# Altium PCB VCB2020.PcbDoc (part 1 of 2)
Units mm, origin at the board's own origin, x right, y up, seen from the top; angles counter-clockwise.
Board outline 146 x 96 mm, 2 copper layers (Top Layer, Bottom Layer); 153 components, 104 nets, 535 pads, 826 vias.
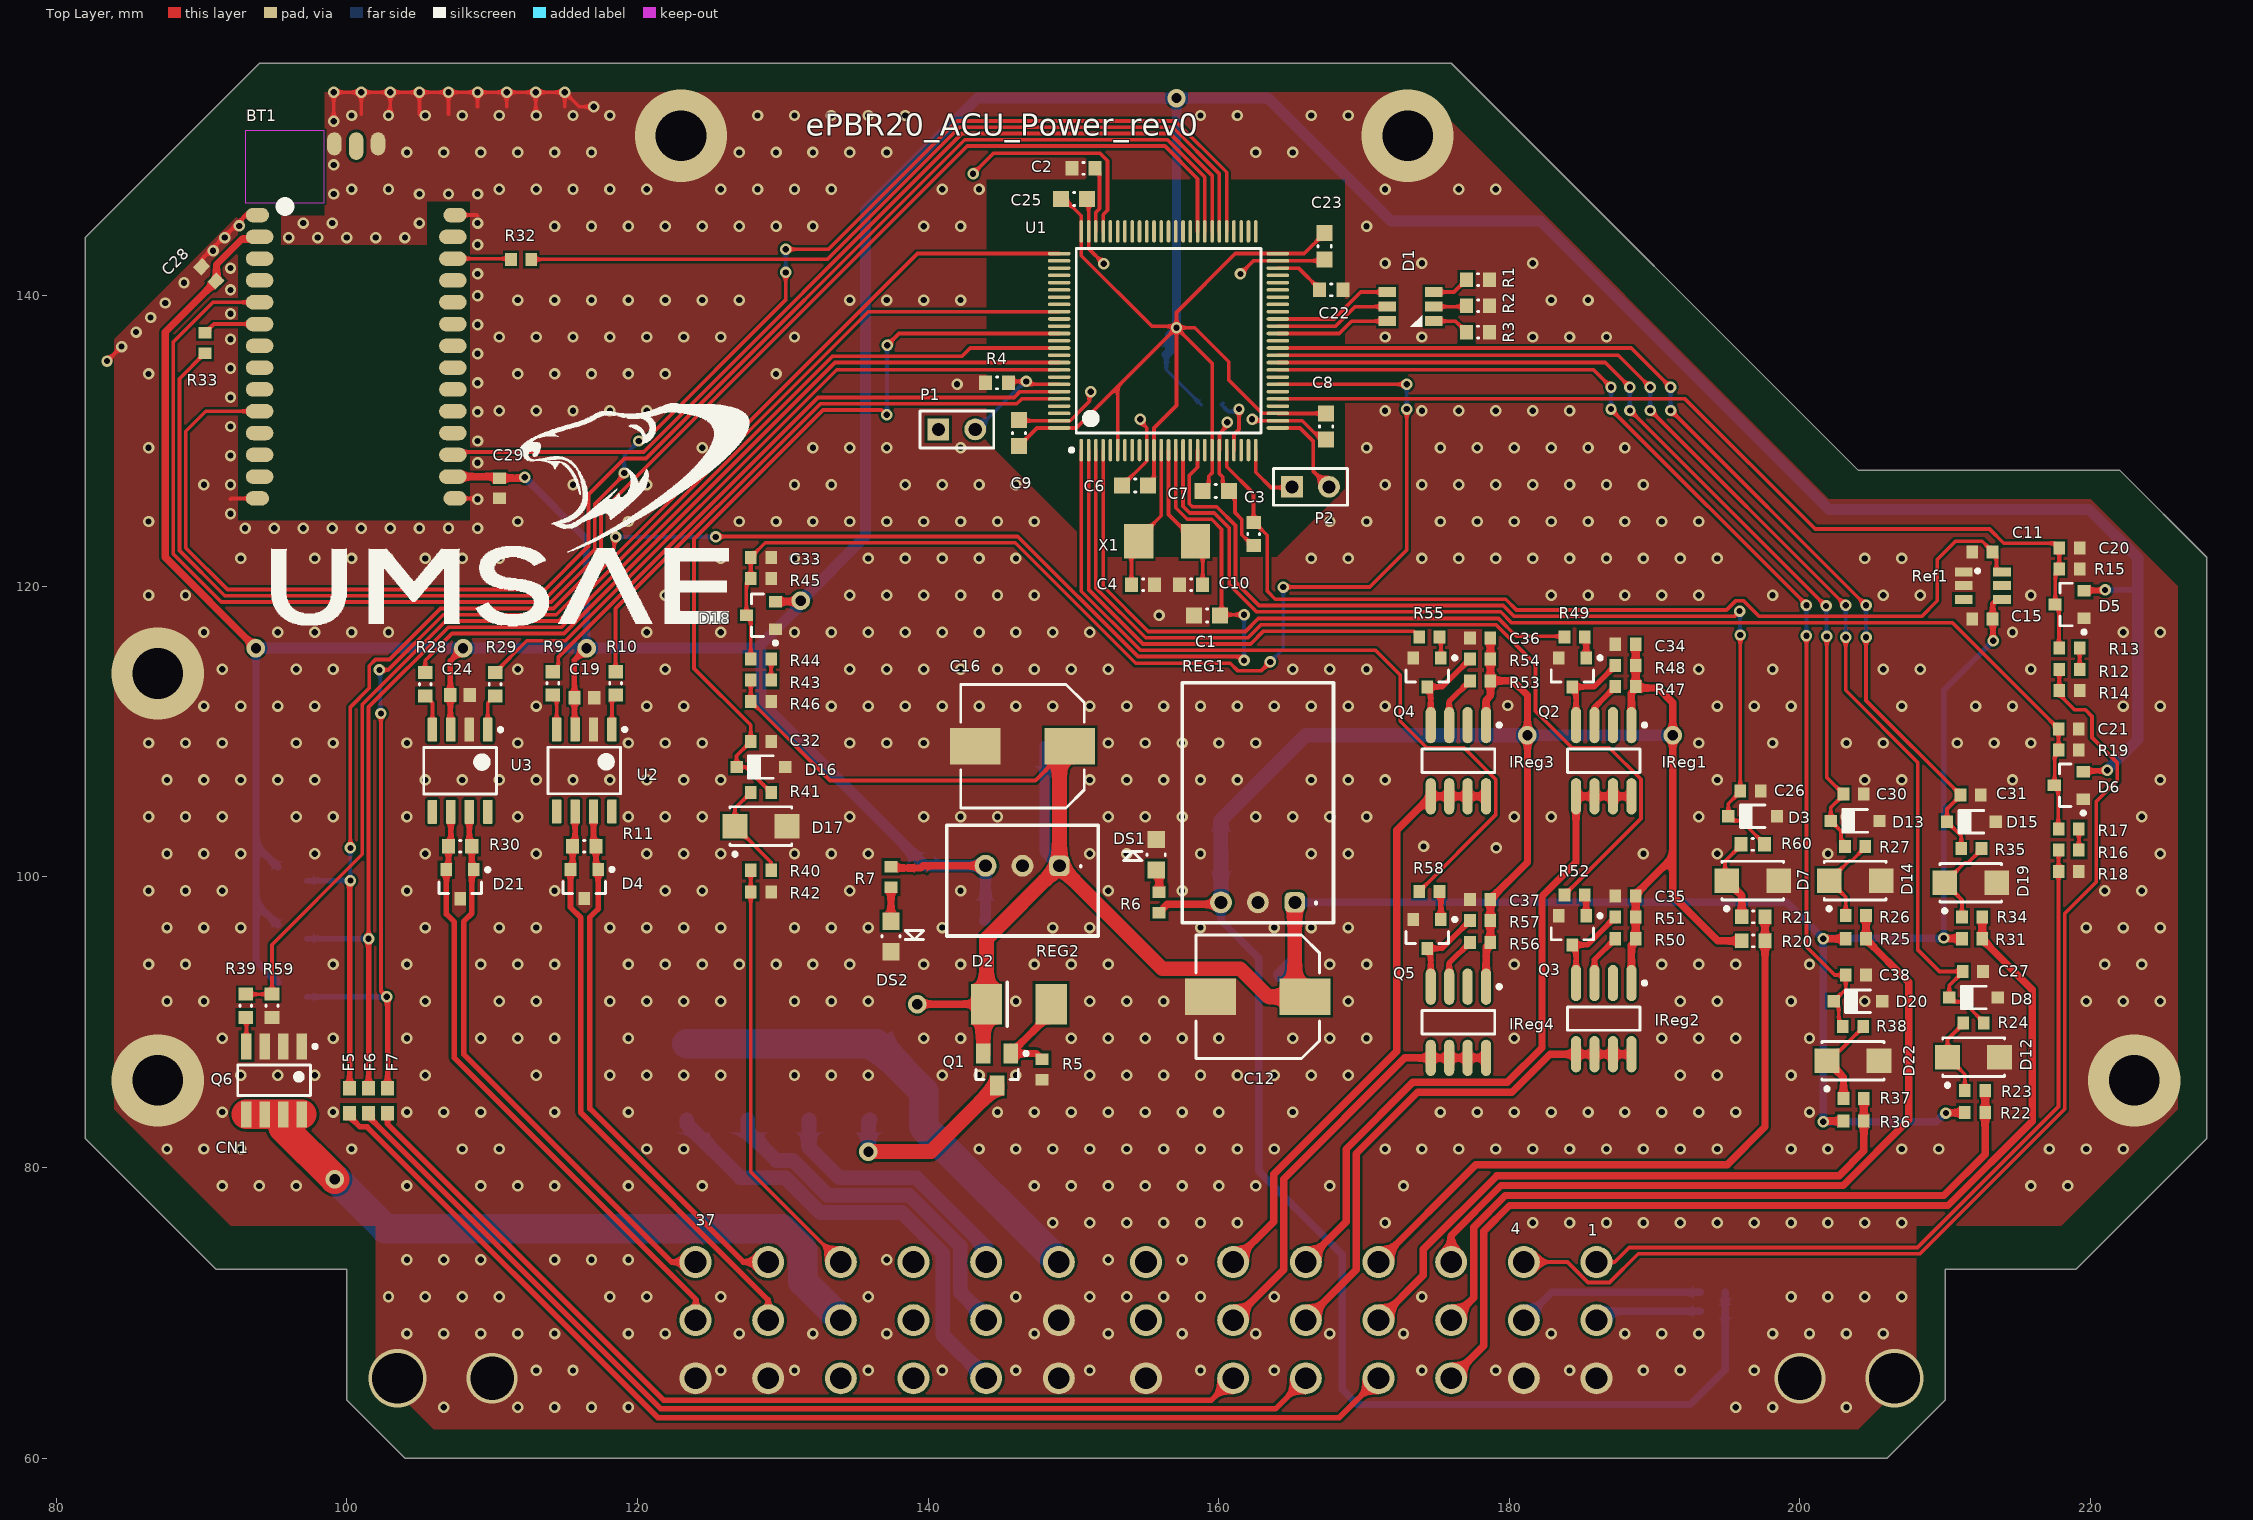
[diagram p0: Top Layer view]
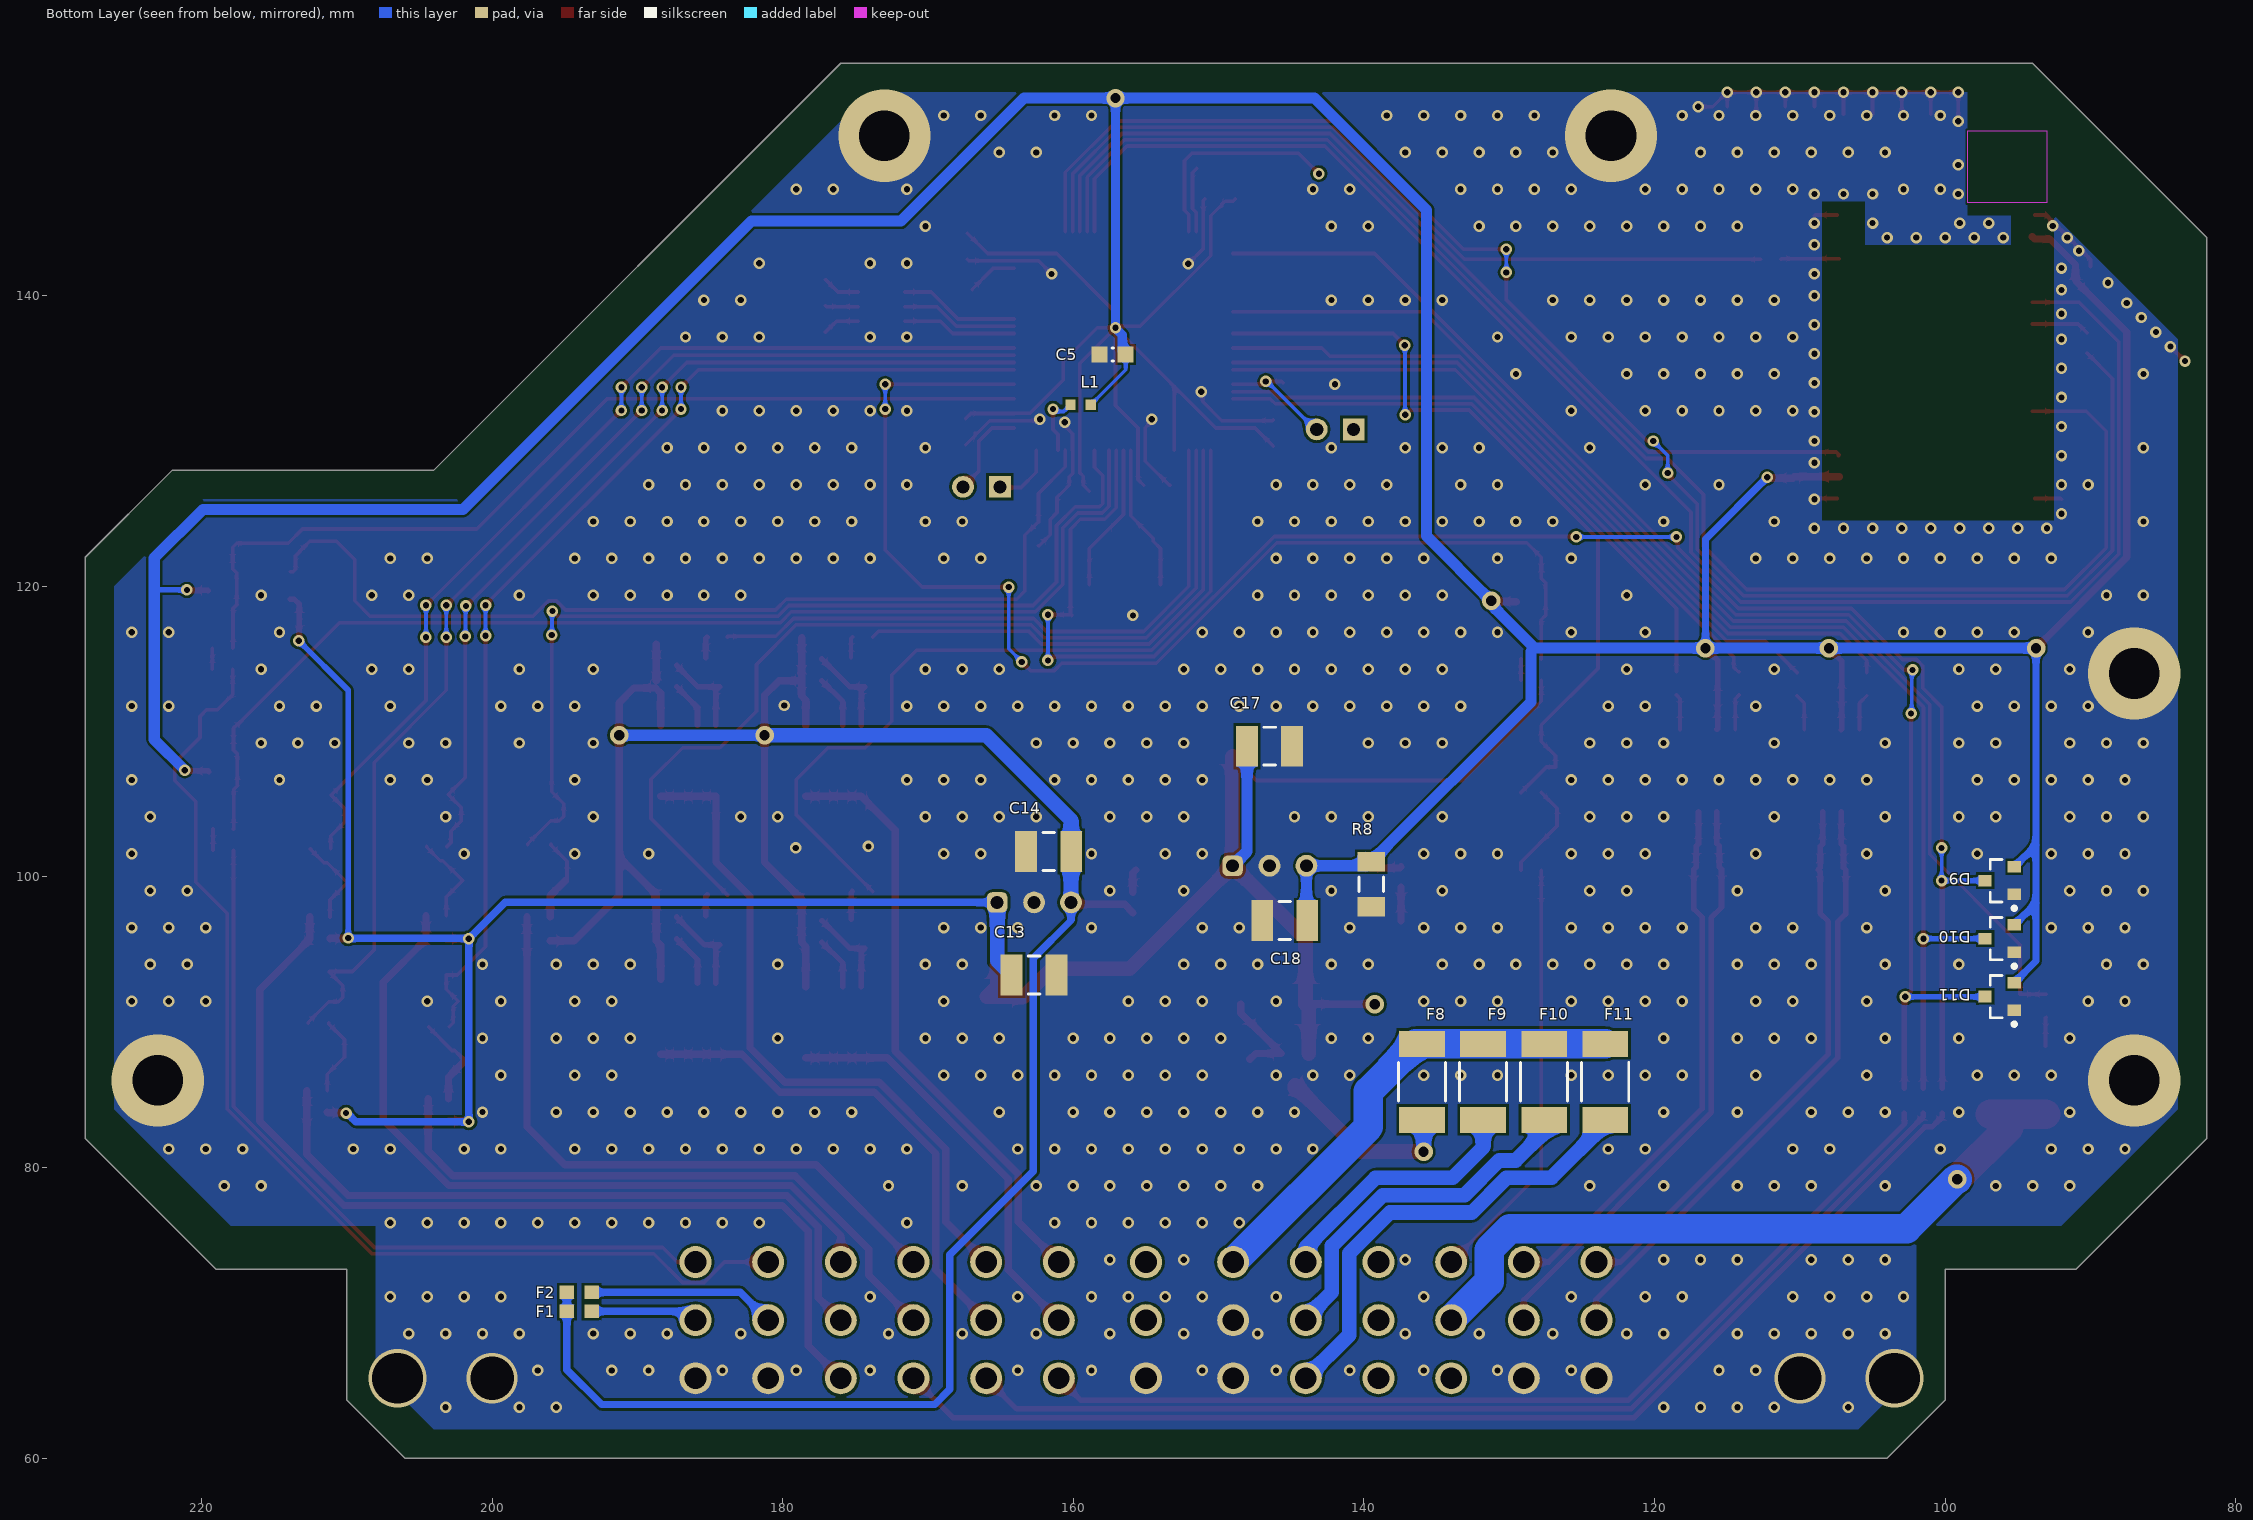
[diagram p1: Bottom Layer view, seen from below]

## Layer stack, top to bottom
Top Solder: solder mask 0.0102, Solder Resist, Dk 3.5
Top Layer: signal copper 0.0356
Dielectric 1: dielectric 0.32, FR-4, Dk 4.8
Bottom Layer: signal copper 0.0356
Bottom Solder: solder mask 0.0102, Solder Resist, Dk 3.5

## Board outline
98.5,156 94,156 82,144 82,82 91,73 100,73 100,64 104,60 206,60 210,64 210,73 219,73 228,82 228,122 222,128 204,128 176,156

## Design rules (kind name [scope] priority, off if disabled: settings)
Clearance [All] p1: gap=0.178 ignorepadtopadclearanceinfootprint=FALSE except(0: Arc-Hole Track-Hole SMDPad-Hole THPad-Hole Via-Hole Fill-Hole Poly-Hole Region-Hole Text-Hole)
DiffPairsRouting [All] p1: maxlimit=0.254 minlimit=0.254 mostfreqgap=0.254 toplayer_minwidth=0.381 toplayer_maxwidth=0.381 toplayer_prefwidth=0.381 bottomlayer_minwidth=0.381 bottomlayer_maxwidth=0.381 bottomlayer_prefwidth=0.381 maxuncoupledlength=12.7
Height [All] p1: minheight=0 maxheight=1000 prefheight=12.7
HoleSize [All] p1: absolutevalues=TRUE maxlimit=5.08 minlimit=0.381 maxpercent=80.000 minpercent=20.000
HoleToHoleClearance [All] p1: gap=0.203 allowstackedmicrovias=TRUE
MinimumAnnularRing MinimumAnnularRing_Pad [IsPad] p1: minimumring=0.178
MinimumAnnularRing MinimumAnnularRing_Via [IsVia] p2: minimumring=0.127
MinimumSolderMaskSliver [All] p1: minsoldermaskwidth=0.102
PlaneClearance [All] p1: clearance=0.381
PlaneConnect PlaneConnect_12V [InNet('12V')] p1: planeconnectstyle=Direct reliefexpansion=0.508 reliefentries=4 reliefconductorwidth=0.508 reliefairgap=0.254
PlaneConnect PlaneConnect_1 [All] p2: planeconnectstyle=Relief reliefexpansion=0.381 reliefentries=4 reliefconductorwidth=0.381 reliefairgap=0.254
PolygonConnect [All] p1: connectstyle=Direct reliefconductorwidth=0.381 reliefentries=4 polygonreliefangle="90 Angle" airgapwidth=0.254
RoutingVias [All] p1: holewidth=0.432 width=0.787 viastyle="Through Hole" minholewidth=0.381 minwidth=0.737 maxholewidth=1.27 maxwidth=2.54
SilkToSilkClearance [All] p1: silktosilkclearance=0.178
SilkToSolderMaskClearance [IsPad] p1: minsilkscreentomaskgap=0.051 clearancetoexposedcopper=TRUE
SolderMaskExpansion [All] p1: expansion=0.076
Width [All] p1: maxlimit=5.08 minlimit=0.178 preferedwidth=0.381
21 further rules are at their usual default settings.

## Classes and differential pairs
component class 14-RegenSolenoid: Q6 R39 R59
component class 13-Fusing: F8 F9 F10 F11
component class 12-Dash_Inputs: C27 C30 C31 C38 D8 D12 D13 D14 D15 D19 D20 D22 R22 R23 R24 R25 R26 R27 R31 R34 R35 R36 R37 R38
component class 10-DashLEDs: C34 C35 C36 C37 IReg1 IReg2 IReg3 IReg4 Q2 Q3 Q4 Q5 R47 R48 R49 R50 R51 R52 R53 R54 R55 R56 R57 R58
component class 9-Other_Inputs: C26 C32 C33 D3 D7 D16 D17 D18 R20 R21 R40 R41 R42 R43 R44 R45 R46 R60
component class 8-Bluetooth: BT1 C28 C29 R32 R33
component class 5-Connector: CN1 D9 D10 D11 F1 F2 F5 F6 F7
component class 4-PPS: C20 C21 D5 D6 R12 R13 R14 R15 R16 R17 R18 R19
component class 3-CAN: C19 C24 D4 D21 R9 R10 R11 R28 R29 R30 U2 U3
component class 2-Power: C11 C12 C13 C14 C15 C16 C17 C18 D2 DS1 DS2 Q1 R5 R6 R7 R8 Ref1 REG1 REG2
component class 1-Controller: C1 C2 C3 C4 C5 C6 C7 C8 C9 C10 C22 C23 C25 D1 L1 P1 P2 R1 R2 R3 R4 U1 X1
differential pair Sensor_CAN: +Sensor_CAN_P -Sensor_CAN_N
differential pair CAN: +CAN_P -CAN_N

## Components (designator, comment, footprint, x,y, rotation, side; value= is the part's Value field where it differs from the comment)
BT1 "WT12" WT12 100.65,142.95 r270 top
C1 "CAP 10nF 100V 0603(1608)" CAPC0603(1608)100_M 159.2,117.996 r0 top value=10nF
C2 "CAP 2.2uF" CAPC0603(1608)55_N 150.7,148.759 r0 top value=2.2uF
C3 "CAP 100nF 25V 0603(1608)" CAPC0603(1608)100_N 162.4,123.6 r90 top value=100nF
C4 "CAP 24pF" CAPC0603(1608)100_N 154.796,120.1 r180 top value=24pF
C5 "CAP 10nF 100V 0603(1608)" CAPC0603(1608)100_M 157.3,135.95 r180 bottom value=10nF
C6 "CAP 10nF 100V 0603(1608)" CAPC0603(1608)100_M 154.25,126.95 r0 top value=10nF
C7 "CAP 10nF 100V 0603(1608)" CAPC0603(1608)100_M 159.8,126.55 r180 top value=10nF
C8 "CAP 10nF 100V 0603(1608)" CAPC0603(1608)100_M 167.4,131 r90 top value=10nF
C9 "CAP 10nF 100V 0603(1608)" CAPC0603(1608)100_M 146.25,130.55 r270 top value=10nF
C10 "CAP 24pF" CAPC0603(1608)100_N 158.1,120.1 r0 top value=24pF
C11 "Cap" 1608[0603] 212.55,122.354 r0 top value=1uF
C12 "UUD1H101MNL1GS" NIC-CAPA2-8X10_V 162.7,91.75 r180 top
C13 "Cap" C1210_M 162.7,93.25 r0 bottom value=22uF
C14 "Cap" C1210_M 161.7,101.75 r180 bottom value=10uF
C15 "Cap" 1608[0603] 212.55,117.746 r0 top value=100nF
C16 "UUD1H101MNL1GS" NIC-CAPA2-8X10_V 146.5,109 r180 top
C17 "Cap" C1210_M 146.5,109 r0 bottom value=22uF
C18 "Cap" C1210_M 145.45,97 r180 bottom value=10uF
C19 "0.1uF" CAPC1608X90X30NL10T20 116.345,112.329 r180 top
C20 "Cap" 1608[0603] 218.55,122.644 r180 top value=0.47uF
C21 "Cap" 1608[0603] 218.5,110.194 r180 top value=0.47uF
C22 "CAP 2.2uF 10V 0603(1608)" CAPC0603(1608)55_N 167.75,140.4 r180 top value=2.2uF
C23 "CAP 10nF 100V 0603(1608)" CAPC0603(1608)100_M 167.3,143.404 r90 top value=10nF
C24 "0.1uF" CAPC1608X90X30NL10T20 107.8,112.513 r180 top
C25 "CAP 10nF 100V 0603(1608)" CAPC0603(1608)100_M 150.05,146.654 r180 top value=10nF
C26 "Cap" 1608[0603] 196.6,105.921 r180 top value=10nF
C27 "Cap" 1608[0603] 211.9,93.5 r180 top value=100nF
C28 "Cap" 1608[0603] 90.5,141.5 r315 top value=100nF
C29 "Cap" 1608[0603] 110.5,126.75 r90 top value=100nF
C30 "Cap" 1608[0603] 203.7,105.7 r180 top value=100nF
C31 "Cap" 1608[0603] 211.75,105.65 r180 top value=100nF
C32 "Cap" 1608[0603] 128.5,109.321 r180 top value=1nF
C33 "Cap" 1608[0603] 128.5,121.996 r180 top value=0.47uF
C34 "Cap" 1608[0603] 188,116.013 r0 top value=100nF
C35 "Cap" 1608[0603] 188,98.704 r0 top value=100nF
C36 "Cap" 1608[0603] 178,116.454 r0 top value=100nF
C37 "Cap" 1608[0603] 178,98.454 r0 top value=100nF
C38 "Cap" 1608[0603] 203.85,93.25 r180 top value=100nF
CN1 "5-1418363-3" 5-1418363-3 155,69.5 r0 top
D1 "CLX6F-FKC-CNP1ST1E1BB7D3D3" CLX6C-FKB 174.8,139.25 r180 top
D2 "Zener Diode, 5.1V, 5W SMBJ5338B" "DO-214AA (SMB)" 146.25,91.25 r180 top
D3 "MMSZ5226B-E3-08" VISH-SOD-123-2_V 196.75,104.167 r180 top
D4 "NUP2105LT1" ONSC-SOT-23-3-318-08_V 116.345,99.516 r270 top
D5 "SZNUP1301ML3T1G" ONSC-SOT-23-3-318-08_V 218.55,118.75 r180 top
D6 "SZNUP1301ML3T1G" ONSC-SOT-23-3-318-08_V 218.5,106.3 r180 top
D7 "SS14-E3/5AT" VISH-DO-214AC-2_V 196.75,99.75 r180 top
D8 "MMSZ5226B-E3-08" VISH-SOD-123-2_V 211.95,91.704 r180 top
D9 "SZNUP1301ML3T1G" ONSC-SOT-23-3-318-08_V 96.25,99.75 r0 bottom
D10 "SZNUP1301ML3T1G" ONSC-SOT-23-3-318-08_V 96.25,95.761 r0 bottom
D11 "SZNUP1301ML3T1G" ONSC-SOT-23-3-318-08_V 96.25,91.771 r0 bottom
D12 "SS14-E3/5AT" VISH-DO-214AC-2_V 211.95,87.6 r180 top
D13 "MMSZ5226B-E3-08" VISH-SOD-123-2_V 203.8,103.854 r180 top
D14 "SS14-E3/5AT" VISH-DO-214AC-2_V 203.8,99.75 r180 top
D15 "MMSZ5226B-E3-08" VISH-SOD-123-2_V 211.8,103.8 r180 top
D16 "MMSZ5226B-E3-08" VISH-SOD-123-2_V 128.5,107.567 r180 top
D17 "SS14-E3/5AT" VISH-DO-214AC-2_V 128.5,103.5 r180 top
D18 "SZNUP1301ML3T1G" ONSC-SOT-23-3-318-08_V 128.5,118 r180 top
D19 "SS14-E3/5AT" VISH-DO-214AC-2_V 211.75,99.6 r180 top
D20 "MMSZ5226B-E3-08" VISH-SOD-123-2_V 204,91.454 r180 top
D21 "NUP2105LT1" ONSC-SOT-23-3-318-08_V 107.8,99.5 r270 top
D22 "SS14-E3/5AT" VISH-DO-214AC-2_V 203.65,87.35 r180 top
DS1 "LTST-C170GKT" LTST-C170GKT_V 155.7,101.529 r90 top
DS2 "LTST-C170GKT" LTST-C170GKT_V 137.45,95.916 r270 top
F1 "PTC 80 mA" "0603 fuse" 194,70.113 r180 bottom
F2 "PTC 80 mA" "0603 fuse" 194,71.42 r180 bottom
F5 "PTC 80 mA" "0603 fuse" 100.193,84.6 r270 top
F6 "PTC 80 mA" "0603 fuse" 101.5,84.6 r270 top
F7 "PTC 80 mA" "0603 fuse" 102.807,84.6 r270 top
F8 "1812L075/24DR" LFUS-1812L07524DR_V 136,85.9 r270 bottom
F9 "1812L050/30PR" LFUS-1812L05030PR_V 131.8,85.9 r270 bottom
F10 "1812L050/30PR" LFUS-1812L05030PR_V 127.6,85.9 r270 bottom
F11 "1812L075/24DR" LFUS-1812L07524DR_V 123.4,85.9 r270 bottom
IReg1 "NUD4001" SO8_M 186.5,108 r270 top
IReg2 "NUD4001" SO8_M 186.5,90.25 r270 top
IReg3 "NUD4001" SO8_M 176.5,108 r270 top
IReg4 "NUD4001" SO8_M 176.5,90 r270 top
L1 "MH1608-601Y" BOUR-MH1608_V 159.5,132.5 r0 bottom
P1 "Header 2" HDR1X2 140.71,130.8 r0 top
P2 "Header 2" HDR1X2 165.05,126.85 r0 top
Q1 "FDN340P" FAIR-SSOT3L-3_V 144.75,86.75 r270 top
Q2 "MMBT2222ALT1" ONSC-SOT-23-3-318-08_V 184.346,114.079 r270 top
Q3 "MMBT2222ALT1" ONSC-SOT-23-3-318-08_V 184.346,96.329 r270 top
Q4 "MMBT2222ALT1" ONSC-SOT-23-3-318-08_V 174.346,114.079 r270 top
Q5 "MMBT2222ALT1" ONSC-SOT-23-3-318-08_V 174.346,96.079 r270 top
Q6 "IRF7413PBFCT" INTR-SO-8_V 95,86 r270 top
R1 "82R" RESC0603(1608)_N 177.85,141.109 r0 top value="82.00 Ohm"
R2 "60R" RESC0603(1608)_N 177.85,139.304 r0 top value="60.40 Ohm"
R3 "33R" RESC0603(1608)_N 177.85,137.5 r0 top value="33.00 Ohm"
R4 "10K" RESC0603(1608)_N 144.75,134 r180 top value="10000.00 Ohm"
R5 "Res1" 1608[0603] 147.854,86.75 r90 top value=1K
R6 "Res1" 1608[0603] 155.904,98.25 r90 top value=180R
R7 "Res1" 1608[0603] 137.45,100 r270 top value=82R
R8 "100R" RESC1206(3216)_M 139.5,99.5 r90 bottom value="100.00 Ohm"
R9 "22R" RESC0603(1608)_N 114.191,113.321 r90 top value="22.00 Ohm"
R10 "22R" RESC0603(1608)_N 118.499,113.321 r90 top value="22.00 Ohm"
R11 "120R" RESC0603(1608)_N 116.345,102.121 r0 top value="120.00 Ohm"
R12 "Res1" 1608[0603] 218.55,114.291 r0 top value=3k9
R13 "Res1" 1608[0603] 218.55,115.746 r180 top value=1k3
R14 "Res1" 1608[0603] 218.55,112.837 r180 top value=10k
R15 "Res1" 1608[0603] 218.55,121.189 r180 top value=10k
R16 "Res1" 1608[0603] 218.5,101.841 r0 top value=3k9
R17 "Res1" 1608[0603] 218.5,103.296 r180 top value=1k3
R18 "Res1" 1608[0603] 218.5,100.387 r180 top value=10k
R19 "Res1" 1608[0603] 218.5,108.739 r180 top value=10k
R20 "100K 5% 0603(1608)" RESC0603(1608)_N 196.8,95.6 r180 top value="100000.00 Ohm"
R21 "51K 5% 0603(1608)" RESC0603(1608)_N 196.8,97.25 r180 top value="51000.00 Ohm"
R22 "Res1" 1608[0603] 212.05,83.8 r180 top value=10k
R23 "Res1" 1608[0603] 212.05,85.3 r180 top value=5k1
R24 "Res1" 1608[0603] 211.95,89.95 r0 top value=5k1
R25 "Res1" 1608[0603] 203.85,95.75 r180 top value=10k
R26 "Res1" 1608[0603] 203.85,97.35 r180 top value=5k1
R27 "Res1" 1608[0603] 203.8,102.1 r180 top value=5k1
R28 "22R" RESC0603(1608)_N 105.396,113.263 r90 top value="22.00 Ohm"
R29 "22R" RESC0603(1608)_N 110.204,113.263 r90 top value="22.00 Ohm"
R30 "120R" RESC0603(1608)_N 107.8,102.104 r0 top value="120.00 Ohm"
R31 "Res1" 1608[0603] 211.85,95.75 r180 top value=10k
R32 "Res1" 1608[0603] 112,142.5 r0 top value=22R
R33 "Res1" 1608[0603] 90.25,136.75 r90 top value=22R
R34 "Res1" 1608[0603] 211.85,97.25 r180 top value=5k1
R35 "Res1" 1608[0603] 211.8,101.95 r180 top value=5k1
R36 "Res1" 1608[0603] 203.7,83.2 r180 top value=10k
R37 "Res1" 1608[0603] 203.7,84.75 r180 top value=5k1
R38 "Res1" 1608[0603] 203.65,89.7 r180 top value=5k1
R39 "100R 1% 0603(1608)" RESC0603(1608)_N 93.05,91.134 r90 top value="100.00 Ohm"
R40 "Res1" 1608[0603] 128.5,100.463 r180 top value=1K
R41 "Res1" 1608[0603] 128.5,105.812 r180 top value=1K
R42 "Res1" 1608[0603] 128.5,98.963 r180 top value=1K
R43 "Res1" 1608[0603] 128.5,113.541 r0 top value=39k
R44 "Res1" 1608[0603] 128.5,114.996 r180 top value=2k
R45 "Res1" 1608[0603] 128.5,120.541 r180 top value=10k
R46 "Res1" 1608[0603] 128.5,112.087 r180 top value=10k
R47 "Res1" 1608[0603] 188,113.104 r180 top value=3R
R48 "Res1" 1608[0603] 188,114.559 r180 top value=110k
R49 "Res1" 1608[0603] 184.5,116.509 r180 top value=1K
R50 "Res1" 1608[0603] 188,95.75 r180 top value=3R
R51 "Res1" 1608[0603] 188,97.25 r180 top value=110k
R52 "Res1" 1608[0603] 184.5,98.759 r180 top value=1K
R53 "Res1" 1608[0603] 178,113.5 r180 top value=3R
R54 "Res1" 1608[0603] 178,115 r180 top value=110k
R55 "Res1" 1608[0603] 174.5,116.509 r180 top value=1K
R56 "Res1" 1608[0603] 178,95.5 r180 top value=3R